# Altium PCB STC12C5A60S2底板.PcbDoc
Units mm, origin at the board's own origin, x right, y up, seen from the top; angles counter-clockwise.
Board outline 100 x 100 mm, 2 copper layers (Top Layer, Bottom Layer); 77 components, 129 nets, 433 pads, 41 vias.
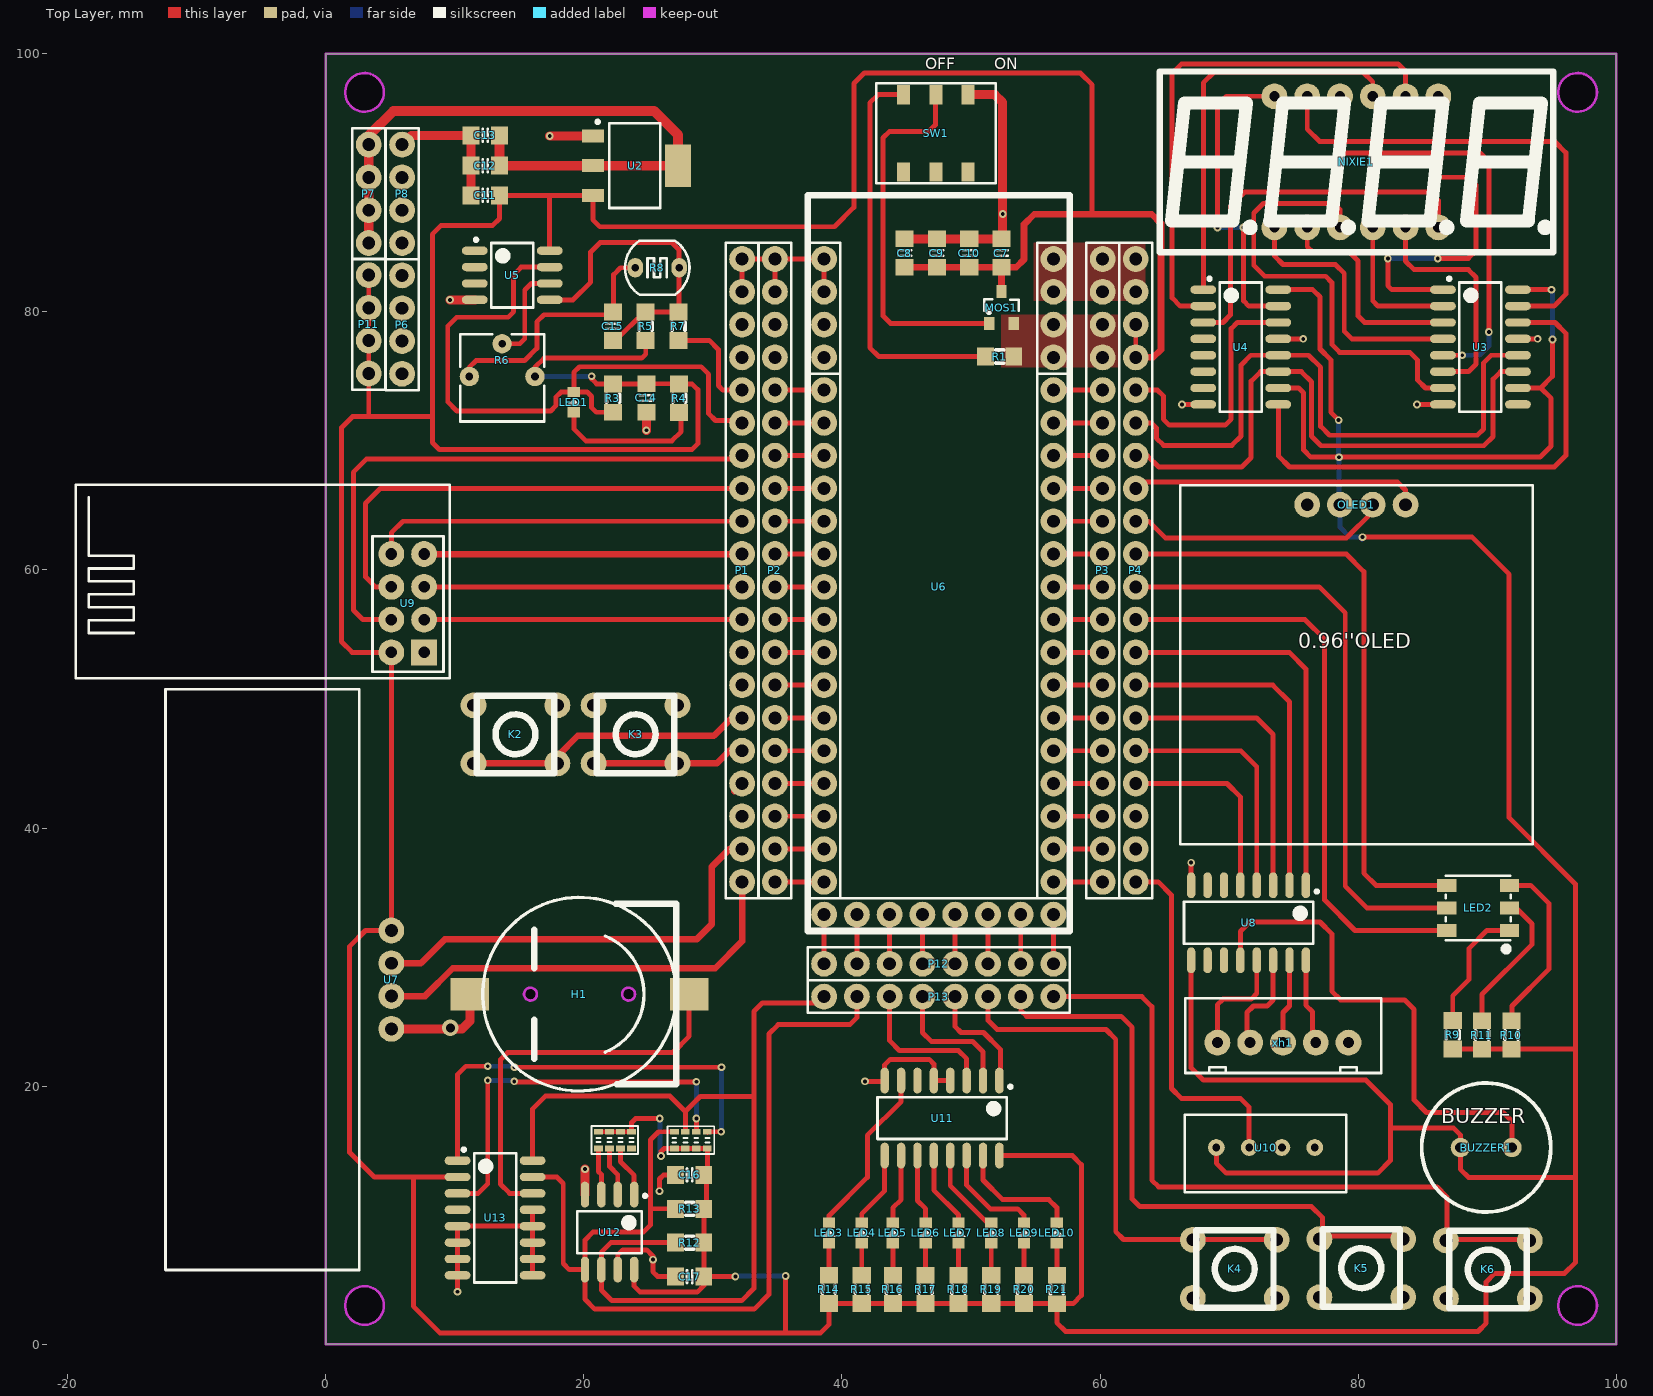
[diagram p0: Top Layer view]
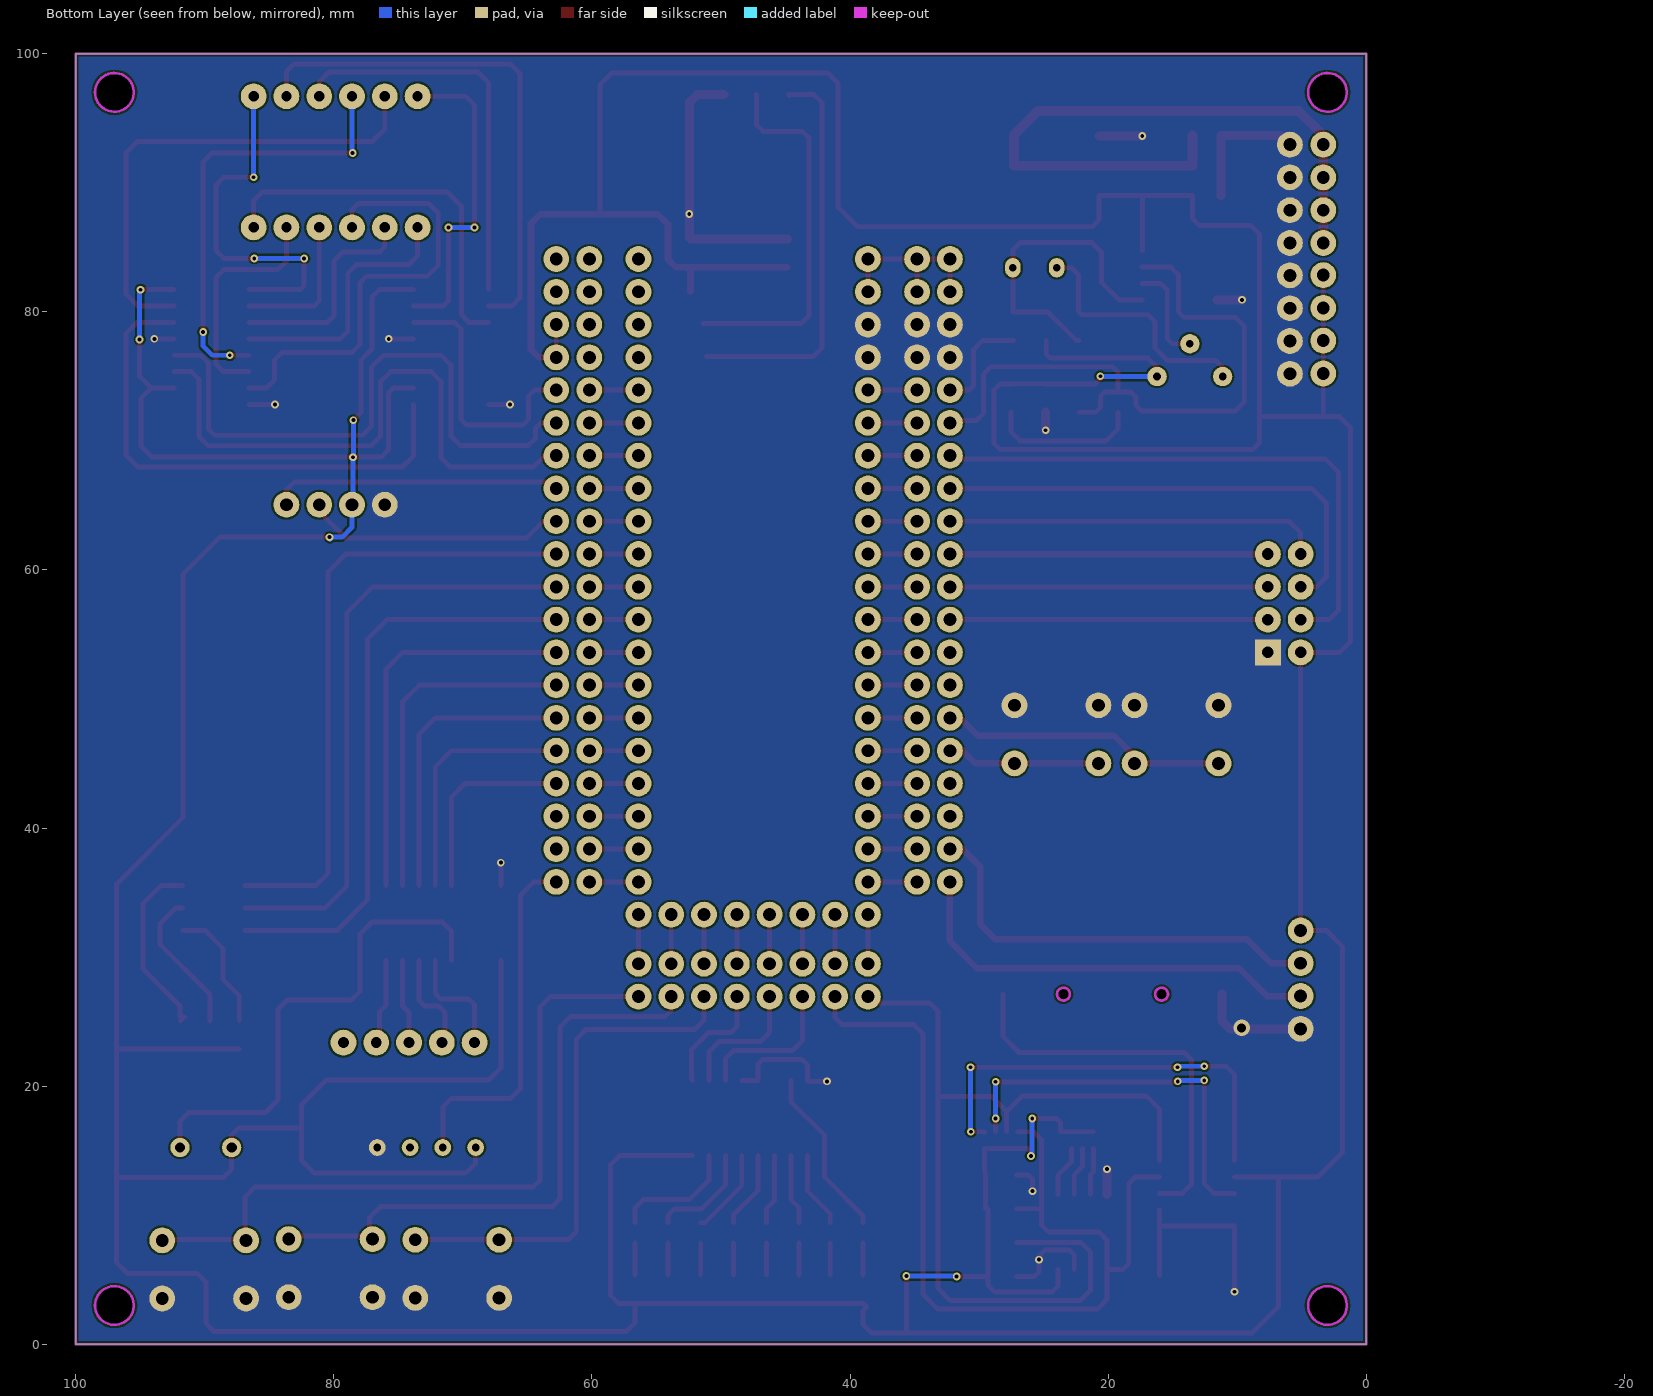
[diagram p1: Bottom Layer view, seen from below]

## Layer stack, top to bottom
Top Solder: solder mask 0.0102, Solder Resist, Dk 3.5
Top Layer: signal copper 0.0356
Dielectric 1: dielectric 0.32, FR-4, Dk 4.8
Bottom Layer: signal copper 0.0356
Bottom Solder: solder mask 0.0102, Solder Resist, Dk 3.5

## Board outline
0,100 0,0 100,0 100,100 0,100
cut-out: 95.5,97 ccw(c97,97) 97,95.5 ccw(c97,97) 98.5,97 ccw(c97,97) 97,98.5 ccw(c97,97)
cut-out: 1.5,97 ccw(c3,97) 3,95.5 ccw(c3,97) 4.5,97 ccw(c3,97) 3,98.5 ccw(c3,97)
cut-out: 1.5,3 ccw(c3,3) 3,1.5 ccw(c3,3) 4.5,3 ccw(c3,3) 3,4.5 ccw(c3,3)
cut-out: 95.5,3 ccw(c97,3) 97,1.5 ccw(c97,3) 98.5,3 ccw(c97,3) 97,4.5 ccw(c97,3)

## Design rules (kind name [scope] priority, off if disabled: settings)
Clearance [All] p1: gap=0.152
ComponentClearance [All] p1: gap=0 collisioncheckmode=3 verticalgap=0 showdistances=FALSE
PlaneConnect [All] p1: planeconnectstyle=Direct reliefexpansion=0.508 reliefentries=4 reliefconductorwidth=0.254 reliefairgap=0.254
PolygonConnect [All] p1: connectstyle=Direct reliefconductorwidth=0.254 reliefentries=4 polygonreliefangle="90 Angle" airgapwidth=0.254
RoutingVias [All] p1: holewidth=0.3 width=0.6 viastyle="Through Hole" minholewidth=0.3 minwidth=0.6 maxholewidth=6 maxwidth=6.3
SolderMaskExpansion [All] p1: expansion=0.102
UnpouredPolygon [All] p1: allowunpoured=FALSE
Width [All] p1: maxlimit=20 minlimit=0.381 preferedwidth=0.381
27 further rules are at their usual default settings.

## Components (designator, comment, footprint, x,y, rotation, side; value= is the part's Value field where it differs from the comment)
BUZZER1 "BUZZER 9.6X5.5_4MM" BUZZER9.6X4_4MM 89.916,15.24 r0 top
C7 "22μF" C_0805 52.358,84.553 r90 top
C8 "22μF" C_0805 44.858,84.553 r90 top
C9 "10μF" C_0805 47.358,84.553 r90 top
C10 "0.1μF" C_0805 49.858,84.553 r90 top
C11 "10μF" C_0805 12.357,89.012 r180 top
C12 "10μF" C_0805 12.357,91.319 r180 top
C13 "0.1μF" C_0805 12.357,93.668 r180 top
C14 "0.1μF" C_0805 24.841,73.322 r90 top
C15 "0.1μF" C_0805 22.25,78.885 r90 top
C16 "0.1μF" C_0805 28.191,13.119 r180 top
C17 "0.1μF" C_0805 28.191,5.245 r180 top
H1 "CR1220" HOLDER_CR1220_SMD 19.66,27.127 r90 top
K2 "TACT SWITCH_4_DIP" "TACT SWITCH_4_DIP" 14.697,47.259 r0 top
K3 "TACT SWITCH_4_DIP" "TACT SWITCH_4_DIP" 24.007,47.259 r0 top
K4 "TACT SWITCH_4_DIP" "TACT SWITCH_4_DIP" 70.434,5.842 r180 top
K5 "TACT SWITCH_4_DIP" "TACT SWITCH_4_DIP" 80.239,5.893 r180 top
K6 "TACT SWITCH_4_DIP" "TACT SWITCH_4_DIP" 90.043,5.791 r180 top
LED1 "LED_0603-R" LED_0603-R 19.202,73 r90 top
LED2 "RGB" "LED 5050_RGB" 89.296,33.81 r180 top
LED3 "LED_0603-G" LED_0603-G 38.991,8.622 r90 top
LED4 "LED_0603-G" LED_0603-G 41.531,8.622 r90 top
LED5 "LED_0603-G" LED_0603-G 43.944,8.622 r90 top
LED6 "LED_0603-G" LED_0603-G 46.484,8.622 r90 top
LED7 "LED_0603-G" LED_0603-G 49.024,8.622 r90 top
LED8 "LED_0603-G" LED_0603-G 51.564,8.622 r90 top
LED9 "LED_0603-G" LED_0603-G 54.104,8.622 r90 top
LED10 "LED_0603-G" LED_0603-G 56.644,8.622 r90 top
MOS1 "SI2301" SOT_23_3 52.358,80.324 r0 top
NIXIE1 "Nixie Tube_CC(0.36in)_4" "NIXIE TUBE_4(0.36IN)" 79.858,91.618 r0 top
OLED1 "0.96''" "OLED 0.96''" 79.858,66.549 r0 top
P1 "PIN20" PIN_20 32.258,59.959 r90 top
P2 "PIN20" PIN_20 34.801,59.959 r90 top
P3 "PIN20" PIN_20 60.201,59.959 r90 top
P4 "PIN20" PIN_20 62.763,59.959 r90 top
P6 "PIN4" PIN_4 5.918,79.005 r270 top
P7 "PIN4" PIN_4 3.327,89.14 r270 top
P8 "PIN4" PIN_4 5.918,89.14 r270 top
P11 "PIN4" PIN_4 3.327,79.03 r270 top
P12 "PIN8" PIN_8 47.501,29.479 r0 top
P13 "PIN8" PIN_8 47.501,26.939 r0 top
R1 "100KΩ" R_0805 52.215,76.53 r0 top
R3 "10KΩ" R_0805 22.248,73.312 r90 top
R4 "1KΩ" R_0805 27.381,73.297 r90 top
R5 "10kΩ" R_0805 24.79,78.885 r90 top
R6 "kΩ" RP_3362P 13.665,76.251 r180 top
R7 "10kΩ" R_0805 27.33,78.885 r270 top
R8 "5516" GM55-55XX 25.681,83.414 r180 top
R9 "Ω" R_0805 87.324,23.975 r270 top
R10 "Ω" R_0805 91.868,23.96 r270 top
R11 "Ω" R_0805 89.582,23.96 r270 top
R12 "10KΩ" R_0805 28.191,7.87 r0 top
R13 "10KΩ" R_0805 28.191,10.494 r0 top
R14 "Ω" R_0805 38.981,4.251 r90 top
R15 "Ω" R_0805 41.531,4.251 r90 top
R16 "Ω" R_0805 43.944,4.251 r90 top
R17 "Ω" R_0805 46.484,4.251 r90 top
R18 "Ω" R_0805 49.024,4.251 r90 top
R19 "Ω" R_0805 51.564,4.251 r90 top
R20 "Ω" R_0805 54.104,4.251 r90 top
R21 "Ω" R_0805 56.644,4.245 r90 top
SW1 "switchi_slide(SMD)" SWITCHI_SLIDE(SMD) 47.269,93.828 r270 top
U2 "1117-3.3" SOT_223 23.943,91.319 r270 top
U3 "74HC595" SOP_16 89.47,77.267 r0 top
U4 "74HC595" SOP_16 70.902,77.267 r0 top
U5 "LM393_DIP" SOP_8 14.453,82.829 r0 top
U6 "socket" STC12_moudle 47.501,32.019 r0 top locked
U7 "SR04" SR04 5.08,28.25 r270 top
U8 "ULN2003_SMD" SOP_16 71.501,32.654 r270 top
U9 "2.4G" NRF24L01 7.62,53.609 r0 top
U10 "DHT11" DHT11 72.818,15.24 r0 top
U11 "74HC138" SOP_16 47.752,17.526 r270 top
U12 "AT24C32" SOP_8 21.989,8.687 r270 top
U13 "DS3231" SOP_16 13.121,9.783 r0 top
xh1 "XH2.54_5" XH2.54_5 74.168,23.368 r0 top
? "R21" 排阻(0603) 31.245,13.586 r90 top
? "R30" 排阻(0603) 19.457,18.041 r270 top

## Footprints (in the part's own frame and the unit in brackets; to place one, negate y for a bottom-side part, rotate by r counter-clockwise, add the part's x,y. Pads: shape width x height; smd on the part's side, far side on the other; paste and mask are expansions set on the pad)
BUZZER9.6X4_4MM [mm]
  round 1.5 hole 0.8: 1(-2,0) 2(2,0)
  silkscreen extent -5,-5 5,5
C_0805 [mm]
  rect 1.3x1.4 smd: 1(-1.1,0) 2(1.1,0)
  silkscreen extent -0.2,-0.5 0.2,0.5, body extent -1,-0.63 1,0.62, height 0.78
DHT11 [mm]
  round 1.3 hole 0.6: 1(-3.81,0) 2(-1.27,0) 3(1.27,0) 4(3.81,0)
  silkscreen extent -6.25,-3.45 6.25,2.55, body extent -6,-2.8 6,2.7, height 16.25
GM55-55XX [mm]
  oval 1.2x1.5 hole 0.6: 1(-1.7,0) 2(1.7,0)
  silkscreen extent -2.5,-2.1 2.5,2.1
HOLDER_CR1220_SMD [mm]
  rect 2.5x3 smd: 1(0,-8.5) 2(0,8.5)
  Keep-Out Layer board cut-out: 0,3.3 -0.191,3.338 -0.354,3.446 -0.462,3.609 -0.5,3.8 -0.5,3.8 -0.462,3.991 -0.354,4.154 -0.191,4.262 0,4.3 0,4.3 0.191,4.262 0.354,4.154 0.462,3.991 0.5,3.8 0.5,3.8 0.462,3.609 0.354,3.446 0.191,3.338 0,3.3
  Keep-Out Layer board cut-out: -0.5,-3.8 -0.462,-3.991 -0.354,-4.154 -0.191,-4.262 0,-4.3 0,-4.3 0.191,-4.262 0.354,-4.154 0.462,-3.991 0.5,-3.8 0.5,-3.8 0.462,-3.609 0.354,-3.446 0.191,-3.338 0,-3.3 0,-3.3 -0.191,-3.338 -0.354,-3.446 -0.462,-3.609 -0.5,-3.8
  Keep-Out Layer circle w0.2: c0,3.8 r0.5
  Keep-Out Layer circle w0.2: c0,-3.8 r0.5
  silkscreen extent -7.5,-7.5 7.5,7.5, body extent -7.35,-9.6 7.4,9.2, height 4.23
"LED 5050_RGB" [mm]
  rect 1.5x1 smd: 1(2.428,1.75) 2(-2.428,1.75) 3(2.428,0) 4(-2.428,0) 5(2.428,-1.75) 6(-2.428,-1.75)
  silkscreen extent -2.51,-2.5 2.51,3.36, body extent -2.7,-2.5 2.7,2.5, height 1.5
LED_0603-G [mm]
  rect 0.8x0.96 smd: 1(-0.79,0) 2(0.79,0)
  silkscreen extent -0.28,-0.56 0.28,0.56, body extent -0.85,-0.45 0.85,0.45, height 0.9
LED_0603-R [mm]
  rect 0.8x0.96 smd: 1(-0.79,0) 2(0.79,0)
  silkscreen extent -0.28,-0.56 0.28,0.56, body extent -0.85,-0.45 0.85,0.45, height 0.9
"NIXIE TUBE_4(0.36IN)" [mm]
  round 2 hole 0.8: 1(-6.35,-5.08) 2(-3.81,-5.08) 3(-1.27,-5.08) 4(1.27,-5.08) 5(3.81,-5.08) 6(6.35,-5.08) 7(6.35,5.08) 8(3.81,5.08) 9(1.27,5.08) 10(-1.27,5.08) 11(-3.81,5.08) 12(-6.35,5.08)
  silkscreen extent -15.24,-7 15.24,7, body extent -15.24,-7 15.24,7, height 7.21
NRF24L01 [mm]
  rect 2x2 hole 0.9: 1(0,0)
  round 2 hole 0.9: 2(-2.54,0) 3(0,2.54) 4(-2.54,2.54) 5(0,5.08) 6(-2.54,5.08) 7(0,7.62) 8(-2.54,7.62)
  silkscreen extent -27,-2 2,13, body extent -27.25,-2 1.75,13, height 15
"OLED 0.96''" [mm]
  round 2 hole 1: 1(-3.81,-1.5) 2(-1.27,-1.5) 3(1.27,-1.5) 4(3.81,-1.5)
  silkscreen extent -13.65,-27.8 13.65,0
PIN_4 [mm]
  round 2 hole 1: 1(-3.81,0) 2(-1.27,0) 3(1.27,0) 4(3.81,0)
  silkscreen extent -5.08,-1.27 5.08,1.27, body extent -5.08,-1.27 5.08,1.27, height 8.51
PIN_8 [mm]
  round 2 hole 1: 1(-8.89,0) 2(-6.35,0) 3(-3.81,0) 4(-1.27,0) 5(1.27,0) 6(3.81,0) 7(6.35,0) 8(8.89,0)
  silkscreen extent -10.16,-1.27 10.16,1.27, body extent -10.16,-1.27 10.16,1.27, height 8.51
PIN_20 [mm]
  round 2 hole 1: 1(-24.13,0) 2(-21.59,0) 3(-19.05,0) 4(-16.51,0) 5(-13.97,0) 6(-11.43,0) 7(-8.89,0) 8(-6.35,0) 9(-3.81,0) 10(-1.27,0) 11(1.27,0) 12(3.81,0) 13(6.35,0) 14(8.89,0) 15(11.43,0) 16(13.97,0) 17(16.51,0) 18(19.05,0) 19(21.59,0) 20(24.13,0)
  silkscreen extent -25.4,-1.27 25.4,1.27, body extent -25.4,-1.27 25.4,1.27, height 8.51
R_0805 [mm]
  rect 1.3x1.4 smd: 1(-1.1,0) 2(1.1,0)
  silkscreen extent -0.3,-0.5 0.3,0.5, body extent -1.15,-0.67 1.15,0.68, height 0.76
RP_3362P [mm]
  round 1.5 hole 0.6: 1(-2.54,1.27) 2(0,-1.27) 3(2.54,1.27)
  silkscreen extent -3.25,-2 3.25,4.75, body extent -3.35,-2.2 3.35,4.84, height 4.34
SOP_8 [mm]
  oval 2x0.65 smd: 1(-2.906,1.905) 2(-2.906,0.635) 3(-2.906,-0.635) 4(-2.906,-1.905) 5(2.906,-1.905) 6(2.906,-0.635) 7(2.906,0.635) 8(2.906,1.905)
  silkscreen extent -2.93,-2.5 1.63,2.88, body extent -3,-2.5 3,2.5, height 1.8
SOP_16 [mm]
  oval 2x0.65 smd: 1(-2.906,4.445) 2(-2.906,3.175) 3(-2.906,1.905) 4(-2.906,0.635) 5(-2.906,-0.635) 6(-2.906,-1.905) 7(-2.906,-3.175) 8(-2.906,-4.445) 9(2.906,-4.445) 10(2.906,-3.175) 11(2.906,-1.905) 12(2.906,-0.635) 13(2.906,0.635) 14(2.906,1.905) 15(2.906,3.175) 16(2.906,4.445)
  silkscreen extent -2.55,-5 1.63,5.42, body extent -3.06,-5 3.06,5, height 1.48
SOT_23_3 [mm]
  rect 0.8x1 smd: 1(-0.95,-1.235) 2(0.95,-1.235) 3(0,1.235)
  silkscreen extent -1.35,-0.45 1.35,0.65, body extent -1.45,-1.19 1.45,1.19, height 1.02
SOT_223 [mm]
  rect 1x1.7 smd: 1(-2.3,-3.25) 2(0,-3.25) 3(2.3,-3.25)
  rect 3.3x2 smd: 2(0,3.349)
  silkscreen extent -3.53,-3 3.28,1.98, body extent -3.25,-3.51 3.25,3.51, height 1.93
SR04 [mm]
  round 2 hole 1: 1(-3.81,0) 2(-1.27,0) 3(1.27,0) 4(3.81,0)
  silkscreen extent -22.5,-17.5 22.5,-2.5, body extent -22.75,-17.82 22.25,0.25, height 22.5
STC12_moudle [mm]
  round 2 hole 1: 1(-8.89,49.53) 1(-8.89,52.07) 2(-8.89,44.45) 2(-8.89,46.99) 3(-8.89,41.91) 4(-8.89,39.37) 5(-8.89,36.83) 6(-8.89,34.29) 7(-8.89,31.75) 8(-8.89,29.21) 9(-8.89,26.67) 10(-8.89,24.13) 11(-8.89,21.59) 12(-8.89,19.05) 13(-8.89,16.51) 14(-8.89,13.97) 15(-8.89,11.43) 16(-8.89,8.89) 17(-8.89,6.35) 18(-8.89,3.81) 19(-8.89,1.27) 20(-6.35,1.27) 21(-3.81,1.27) 22(-1.27,1.27) 23(1.27,1.27) 24(3.81,1.27) 25(6.35,1.27) 26(8.89,1.27) 27(8.89,3.81) 28(8.89,6.35) 29(8.89,8.89) 30(8.89,11.43) 31(8.89,13.97) 32(8.89,16.51) 33(8.89,19.05) 34(8.89,21.59) 35(8.89,24.13) 36(8.89,26.67) 37(8.89,29.21) 38(8.89,31.75) 39(8.89,34.29) 40(8.89,36.83) 41(8.89,39.37) 42(8.89,41.91) 43(8.89,44.45) 43(8.89,46.99) 44(8.89,49.53) 44(8.89,52.07)
  silkscreen extent -10.16,0 10.16,57, body extent -10.29,0.02 10.28,53.46, height 8.5
SWITCHI_SLIDE(SMD) [mm]
  rect 1.5x1 smd: 1(-3,2.5) 2(-3,0) 3(-3,-2.5) 4(3,-2.5) 5(3,0) 6(3,2.5)
  silkscreen extent -3.88,-4.6 3.88,4.65, body extent -3.45,-4.55 3.45,4.5, height 5.45
"TACT SWITCH_4_DIP" [mm]
  round 2 hole 1: 1(-3.25,2.25) 1(3.25,2.25) 2(-3.25,-2.25) 2(3.25,-2.25)
  silkscreen extent -3,-3 3,3, body extent -3.55,-3 3.55,3, height 5.51
XH2.54_5 [mm]
  round 2 hole 0.85: 1(-5.08,0) 2(-2.54,0) 3(0,0) 4(2.54,0) 5(5.08,0)
  silkscreen extent -7.56,-2.35 7.62,3.45
排阻(0603) [mm]
  rect 0.45x0.67 smd mask+0.05: 1(2.878,4.23) 2(2.878,3.38) 3(2.878,2.53) 4(2.878,1.68) 5(1.578,1.68) 6(1.578,2.53) 7(1.578,3.38) 8(1.578,4.23)
  silkscreen extent 1.14,1.14 3.3,4.75

## Part data
C7 C8 C9 C10 C11 C12 C13 C14 C15 C16 C17: library part C_0805
H1: library part holder_CR1220_SMD
LED2: library part LED_5050_RGB
OLED1: library part "OLED 0.96''_module"
R1 R3 R4 R5 R7 R9 R10 R11 R12 R13 R14 R15 R16 R17 R18 R19 R20 R21: library part R_0805
R6: library part RP_3362P
R8: library part GM55-55XX
U2: library part AMS1117-3.3
U6: library part STC12C_module
U9: library part NRF24L01
U13: library part DS3231_SOP16
? ?: library part 排阻(0603)

## Via types
v1: diameter 0.6, hole 0.3, Top Layer to Bottom Layer, 40 vias
v2: diameter 1.27, hole 0.711, Top Layer to Bottom Layer, 1 vias

## Nets (pads, with @x,y where several pads share a name; then routed paths per layer and width w, separated by ;. In a path a pad name is that pad's centre, name@x,y a point inside that pad or via, vN(x,y) a via of type N, cw(c..) or ccw(c..) an arc to the next point about the centre after c; other vN are vias at no path point)
3V3: C12.1 C13.1 P7.1 P7.2 P7.3 P7.4 U2.2 | length 52.4
  Top Layer w0.762: P7.4 P7.3 P7.2 P7.1 3.327,93.65 5.232,95.555 25.451,95.555 27.292,93.714 27.292,91.319 20.693,91.319 C12.1 C13.1
5V: MOS1.2 P3.17 P3.18 R1.2 U6.43
24L01_CE: P1.13 U9.6 | length 37.7
  Top Layer w0.381: U9.6 3.846,58.689 3.073,59.461 3.073,65.151 4.231,66.309 P1.13
24L01_CSN: P1.14 U9.4 | length 44.6
  Top Layer w0.381: U9.4 2.881,56.149 2.134,56.896 2.134,67.564 3.15,68.58 31.989,68.58 P1.14
24L01_IRQ: P1.12 U9.8 | length 29.2
  Top Layer w0.381: U9.8 5.08,62.865 5.984,63.769 P1.12
24L01_MISO: P1.11 U9.7 | length 24.6
  Top Layer w0.508: U9.7 P1.11
24L01_MOSI: P1.10 U9.5 | length 24.6
  Top Layer w0.381: U9.5 P1.10
24L01_SCK: P1.9 U9.3 | length 24.6
  Top Layer w0.381: U9.3 P1.9
32K: ?.4@29.566,16.464 U13.1 | length 33.6
  Top Layer w0.381: U13.1 10.215,20.908 10.846,21.539 v1(12.548,21.539) ; v1(14.63,21.463) v1(30.658,21.463) ; ?.4@29.566,16.408 29.566,16.464 v1(30.637,16.464)
  Bottom Layer w0.381: v1(12.548,21.539) 14.554,21.539 v1(14.63,21.463) ; v1(30.637,16.464) 30.658,16.485 v1(30.658,21.463)
74HC595_RCLK: P4.14 U3.11 U4.11 | length 46.3
  Top Layer w0.381: P4.14 63.663,68.849 64.541,67.97 70.968,67.97 71.704,68.707 71.704,74.625 72.441,75.362 U4.11 75.59,75.362 76.378,74.574 76.378,70.358 77.114,69.621 89.738,69.621 90.449,70.333 90.449,74.778 91.034,75.362 U3.11
74HC595_SER: P4.16 U4.14 | length 20.6
  Top Layer w0.381: P4.16 64.45,73.929 64.897,73.482 64.897,71.679 65.354,71.222 69.698,71.222 70.155,71.679 70.155,78.689 70.637,79.172 U4.14
74HC595_SRCLK: P4.15 U3.12 U4.12 | length 47.7
  Top Layer w0.381: P4.15 63.968,71.389 64.364,70.993 64.364,70.206 64.922,69.647 70.206,69.647 70.917,70.358 70.917,75.87 71.679,76.632 U4.12 76.149,76.632 77.089,75.692 77.089,71.12 77.775,70.434 89.23,70.434 89.713,70.917 89.713,76.048 90.297,76.632 U3.12
AO: P1.16 R7.2 | length 8.2
  Top Layer w0.381: R7.2 29.708,77.785 30.429,77.064 30.429,74.27 30.77,73.929 P1.16
DHT11_DATA: P4.1 U10.2 | length 27.9
  Top Layer w0.381: P4.1 64.501,35.829 65.532,34.798 65.532,19.812 66.294,19.05 70.866,19.05 71.548,18.368 U10.2
DO: LED1.2 P1.15 R3.1 U5.7 | length 50.9
  Top Layer w0.381: U5.7 15.138,83.464 14.554,82.88 14.554,80.004 14.129,79.578 10.135,79.578 9.449,78.892 9.449,73.025 10.16,72.314 17.424,72.314 17.831,72.72 17.831,73.381 18.232,73.782 LED1.2@19.225,73.782 ; R3.1 20.955,72.212 20.599,72.568 20.599,73.431 20.249,73.782 19.245,73.782 LED1.2@19.225,73.782 ; P1.15 32.07,71.577 30.201,71.577 29.667,72.111 29.667,75.159 29.083,75.743 19.66,75.743 19.225,75.309 LED1.2@19.225,73.782
DS3231_SCL: ?.2@27.866,16.464 P13.1 R12.1 U12.6 U13.16 | length 72.9
  Top Layer w0.381: U13.16 16.028,18.238 17.018,19.228 26.67,19.228 27.8,18.098 ; R12.1 22.094,7.87 21.354,7.13 U12.6 21.354,4.199 22.174,3.378 32.233,3.378 33.172,4.318 33.172,19.202 ; ?.2@27.866,16.464 27.866,18.032 29.036,19.202 33.172,19.202 ; P13.1 38.113,26.441 33.833,26.441 33.172,25.781 33.172,19.202
DS3231_SDA: ?.1@27.016,16.464 P13.2 R13.1 U12.5 U13.15 | length 75.5
  Top Layer w0.381: U13.15 17.901,12.958 18.402,12.457 18.402,6.256 18.877,5.781 U12.5 ; 25.324,10.494 R13.1 ; ?.1@27.016,16.464 25.786,16.464 25.146,15.824 25.146,9.22 24.613,8.687 20.701,8.687 20.084,8.069 U12.5 ; P13.2 41.151,25.301 40.615,24.765 35.052,24.765 34.341,24.054 34.341,3.861 33.198,2.718 20.853,2.718 20.084,3.488 U12.5
GND: C7.2 C8.2 C9.2 C10.2 C11.2 C12.2 C13.2 C14.1 C16.2 C17.2 H1.2 K2.1 K3.1 K4.1 K5.1 K6.1 OLED1.1 P1.17 P1.18 P2.17 P2.18 P6.1 P6.2 P6.3 P6.4 P8.1 P8.2 P8.3 P8.4 SW1.1 U2.1 U3.8 U3.13 U4.8 U4.13 U5.4 U6.2 U7.4 U8.8 U9.1 U10.4 U11.4 U11.5 U11.8 U12.4 U12.7 U13.5 U13.6 U13.7 U13.8 U13.9 U13.10 U13.11 U13.12 U13.13 | length 92.1
  Top Layer w0.381: v1(10.215,4.065) U13.8 U13.7 U13.6 U13.5 U13.12 ; U13.9 U13.10 U13.11 U13.12 ; U13.13 U13.12 ; U12.7 22.624,6.926 23.012,7.315 24.867,7.315 25.349,6.833 v1(25.349,6.553) 25.349,5.613 25.718,5.245 C17.2 ; v1@25.857,12.141 25.857,12.802 26.174,13.119 C16.2 ; v1(41.783,20.371) 43.245,20.371 U11.8 43.307,21.641 43.739,22.073 46.761,22.073 47.117,21.717 U11.5 U11.4 ; v1(66.345,72.822) U4.8 ; U8.8 v1(67.056,37.313) ; U4.13 v1(75.743,77.902) ; v1(84.557,72.822) U3.8 ; U3.13 v1(93.904,77.902)
  Top Layer w0.7: U7.4 10.572,24.44 11.16,25.028 H1.2 ; P8.1 6.637,93.668 C13.2 C12.2 C11.2 ; v1(9.627,80.924) U5.4 ; v1(17.354,93.619) U2.1 ; U12.4 v1(20.084,13.564) ; v1(24.841,70.815) C14.1 ; C8.2 C9.2 C10.2 C7.2 52.451,85.746 v1(52.451,87.579) 52.451,96.215 51.839,96.828 SW1.1
  other v1: 25.857,11.862
  other v2: 9.652,24.511
INT0: K2.2 P1.6 | length 22.6
  Top Layer w0.508: K2.2@11.447,45.009 17.947,45.009 17.947,45.557 19.533,47.142 30.074,47.142 31.46,48.529 P1.6
INT1: K3.2 P1.5 | length 11.9
  Top Layer w0.508: K3.2@20.757,45.009 27.257,45.009 30.302,45.009 31.282,45.989 P1.5
LED_B: LED2.1 P4.9 | length 45.9
  Top Layer w0.381: P4.9 75.88,56.149 77.394,54.635 77.394,34.417 79.751,32.06 LED2.1
LED_G: LED2.5 P4.11 | length 48.4
  Top Layer w0.381: P4.11 79.081,61.229 80.442,59.868 80.442,36.5 81.382,35.56 LED2.5
LED_R: LED2.3 P4.10 | length 46.8
  Top Layer w0.381: P4.10 76.973,58.689 78.994,56.667 78.994,35.484 80.668,33.81 LED2.3
Net_2: ?.2@22.836,15.164 U12.1 | length 4
  Top Layer w0.381: ?.2@22.836,15.164 22.836,14.146 23.894,13.089 U12.1
Net_3: ?.3@21.986,15.164 U12.2 | length 3.8
  Top Layer w0.381: ?.3@21.986,15.164 21.986,13.777 22.624,13.14 U12.2
Net_4: ?.4@21.136,15.164 U12.3 | length 3.7
  Top Layer w0.381: ?.4@21.136,15.164 21.136,13.374 21.354,13.157 U12.3
NetBUZZER1_2: BUZZER1.2 U8.12 | length 38.7
  Top Layer w0.381: U8.12 70.866,31.979 71.603,32.715 77.038,32.715 77.953,31.801 77.953,27.356 78.638,26.67 83.591,26.67 84.328,25.933 84.328,18.923 85.293,17.958 91.237,17.958 91.916,17.279 BUZZER1.2
NetC15_1: C15.1 R5.2 R7.1 R8.1 U5.5 | length 24.3
  Top Layer w0.381: U5.5 19.152,80.924 20.523,82.296 20.523,84.633 21.26,85.369 26.797,85.369 27.381,84.785 R8.1 27.381,80.035 R7.1 R5.2 24.679,79.985 22.479,77.785 C15.1
NetC15_2: C15.2 R6.3 R8.2 | length 19.6
  Top Layer w0.381: R6.3 11.125,75.703 11.648,76.225 15.418,76.225 16.358,77.165 16.358,79.223 16.906,79.771 22.037,79.771 C15.2 22.301,80.035 22.301,82.88 22.835,83.414 R8.2
NetH1_1: H1.1 U13.14 | length 31.1
  Top Layer w0.381: U13.14 14.246,11.688 13.538,12.395 13.538,22.047 14.097,22.606 26.904,22.606 28.16,23.862 H1.1
NetK4_2: K4.2 P13.6 | length 39.7
  Top Layer w0.381: P13.6 51.311,25.094 52.021,24.384 60.452,24.384 61.214,23.622 61.214,8.716 61.813,8.117 K4.2@73.406,8.117
NetK5_2: K5.2 P13.7 | length 46.9
  Top Layer w0.381: P13.7 53.851,25.856 54.307,25.4 61.636,25.4 62.484,24.552 62.484,11.256 63.072,10.668 76.374,10.668 77.216,9.826 77.216,8.382 83.403,8.382 K5.2@83.668,8.117
NetK6_2: K6.2 P13.8 | length 54.7
  Top Layer w0.381: P13.8 63.231,26.939 64.008,26.162 64.008,12.715 64.531,12.192 86.106,12.192 86.868,11.43 86.868,8.128 K6.2@93.461,8.128
NetLED1_1: LED1.1 R4.1 | length 11.8
  Top Layer w0.381: LED1.1@19.245,72.202 19.245,70.899 20.142,70.002 26.822,70.002 27.535,70.715 R4.1@27.535,72.222
NetLED2_2: LED2.2 R9.1 | length 9.8
  Top Layer w0.381: R9.1 87.324,26.999 88.595,28.27 88.595,30.683 89.972,32.06 LED2.2
NetLED2_4: LED2.4 R11.1 | length 11.4
  Top Layer w0.381: R11.1 89.582,27.098 93.472,30.988 93.472,32.563 92.225,33.81 LED2.4
NetLED2_6: LED2.6 R10.1 | length 14.4
  Top Layer w0.381: LED2.6 93.37,35.56 94.767,34.163 94.767,29.061 91.916,26.21 91.916,25.346 91.581,25.346 R10.1
NetLED3_1: LED3.1 R14.2 | length 2.5
  Top Layer w0.381: R14.2 38.991,5.361 LED3.1
NetLED3_2: LED3.2 U11.7 | length 13.3
  Top Layer w0.381: LED3.2 38.991,9.958 41.961,12.929 41.961,16.18 44.577,18.796 U11.7
NetLED4_1: LED4.1 R15.2 | length 2.5
  Top Layer w0.381: R15.2 LED4.1
NetLED4_2: LED4.2 U11.9 | length 5.9
  Top Layer w0.381: LED4.2 41.531,10.111 43.307,11.887 U11.9
NetLED5_1: LED5.1 R16.2 | length 2.5
  Top Layer w0.381: R16.2 LED5.1
NetLED5_2: LED5.2 U11.10 | length 5.5
  Top Layer w0.381: LED5.2 43.944,10.568 44.577,11.201 U11.10
NetLED6_1: LED6.1 R17.2 | length 2.5
  Top Layer w0.381: R17.2 LED6.1
NetLED6_2: LED6.2 U11.11 | length 5.5
  Top Layer w0.381: U11.11 45.847,11.127 46.484,10.49 LED6.2
NetLED7_1: LED7.1 R18.2 | length 2.5
  Top Layer w0.381: R18.2 LED7.1
NetLED7_2: LED7.2 U11.12 | length 6
  Top Layer w0.381: U11.12 47.117,11.938 49.024,10.031 LED7.2
NetLED8_1: LED8.1 R19.2 | length 2.5
  Top Layer w0.381: R19.2 LED8.1
NetLED8_2: LED8.2 U11.13 | length 6.7
  Top Layer w0.381: U11.13 48.387,12.294 51.268,9.412 LED8.2
NetLED9_1: LED9.1 R20.2 | length 2.5
  Top Layer w0.381: R20.2 LED9.1
NetLED9_2: LED9.2 U11.14 | length 8.3
  Top Layer w0.381: U11.14 49.657,12.319 51.486,10.49 53.619,10.49 54.104,10.006 LED9.2
NetLED10_1: LED10.1 R21.2 | length 2.5
  Top Layer w0.381: R21.2 LED10.1
NetLED10_2: LED10.2 U11.15 | length 9.7
  Top Layer w0.381: U11.15 50.927,12.725 52.451,11.201 56.032,11.201 56.644,10.59 LED10.2
NetMOS1_1: MOS1.1 SW1.2 | length 29.1
  Top Layer w0.381: SW1.2 47.244,96.802 47.244,94.488 46.736,93.98 43.688,93.98 43.18,93.472 43.18,79.68 43.77,79.089 MOS1.1
NetNIXIE1_1: NIXIE1.1 U3.4 | length 20.6
  Top Layer w0.381: NIXIE1.1 73.508,84.328 74.168,83.668 78.232,83.668 78.918,82.982 78.918,78.486 79.502,77.902 U3.4
NetNIXIE1_2: NIXIE1.2 U3.3 | length 16.9
  Top Layer w0.381: NIXIE1.2 76.048,85.039 76.454,84.633 79.299,84.633 79.985,83.947 79.985,79.68 80.493,79.172 U3.3
NetNIXIE1_3: NIXIE1.3 U3.7 | length 34.9
  Top Layer w0.381: NIXIE1.3 78.588,87.909 78.105,88.392 72.644,88.392 71.907,87.655 71.907,83.591 72.746,82.753 77.47,82.753 77.953,82.271 77.953,77.47 78.562,76.86 83.998,76.86 84.607,76.251 84.607,74.701 85.217,74.092 U3.7
NetNIXIE1_4: NIXIE1.4 U3.2 | length 11.3
  Top Layer w0.381: NIXIE1.4 81.128,80.848 81.534,80.442 U3.2
NetNIXIE1_5: NIXIE1.5 U3.6 | length 18.1
  Top Layer w0.381: NIXIE1.5 83.668,83.922 84.328,83.261 88.53,83.261 89.129,82.662 89.129,75.946 88.544,75.362 U3.6
NetNIXIE1_6: NIXIE1.6 U4.3 | length 29.7
  Top Layer w0.381: U4.3 69.52,79.172 70.104,79.756 70.104,88.189 71.196,89.281 85.547,89.281 86.208,88.621 NIXIE1.6
NetNIXIE1_7: NIXIE1.7 U3.1 | length 28.2
  Top Layer w0.381: v1(82.296,84.135) 82.296,82.027 82.612,81.712 U3.1 ; v1(86.161,84.135) 88.53,84.135 89.129,84.734 89.129,89.814 88.519,90.424 v1(86.208,90.424)
  Bottom Layer w0.381: v1(82.296,84.135) v1(86.161,84.135) v1@86.208,84.089 ; v1(86.208,90.424) NIXIE1.7
NetNIXIE1_8: NIXIE1.8 U4.2 | length 40.6
  Top Layer w0.381: U4.2 66.218,80.442 65.583,81.077 65.583,98.476 66.319,99.212 83.083,99.212 83.668,98.628 NIXIE1.8
NetNIXIE1_9: NIXIE1.9 U4.1 | length 30.9
  Top Layer w0.381: U4.1 67.996,97.739 68.834,98.577 80.366,98.577 81.128,97.815 NIXIE1.9
NetNIXIE1_10: NIXIE1.10 U3.5 | length 34.4
  Top Layer w0.381: v1(78.537,92.304) 89.433,92.304 90.119,91.618 v1(90.119,78.435) ; U3.5 v1(88.062,76.632)
  Bottom Layer w0.381: v1(78.537,92.304) 78.588,92.354 NIXIE1.10 ; v1(88.062,76.632) 89.408,76.632 90.119,77.343 v1(90.119,78.435)
NetNIXIE1_11: NIXIE1.11 U3.15 | length 38.4
  Top Layer w0.381: NIXIE1.11 76.048,94.151 77.006,93.193 95.225,93.193 96.088,92.329 96.088,81.356 95.174,80.442 U3.15
NetNIXIE1_12: NIXIE1.12 U4.15 | length 24.8
  Top Layer w0.381: v1(69.088,86.538) 69.088,96.012 69.774,96.698 NIXIE1.12 ; v1(71.12,86.538) 71.12,80.848 71.526,80.442 U4.15
  Bottom Layer w0.381: v1(69.088,86.538) v1(71.12,86.538)
NetP2_1: P2.1 U6.18 | length 3.8
  Top Layer w0.381: P2.1 U6.18
NetP2_2: P2.2 U6.17 | length 3.8
  Top Layer w0.381: P2.2 U6.17
NetP2_3: P2.3 U6.16 | length 3.8
  Top Layer w0.381: P2.3 U6.16
NetP2_4: P2.4 U6.15 | length 3.8
  Top Layer w0.381: P2.4 U6.15
NetP2_5: P2.5 U6.14 | length 3.8
  Top Layer w0.381: P2.5 U6.14
NetP2_6: P2.6 U6.13 | length 3.8
  Top Layer w0.381: P2.6 U6.13
NetP2_7: P2.7 U6.12 | length 3.8
  Top Layer w0.381: P2.7 U6.12
NetP2_8: P2.8 U6.11 | length 3.8
  Top Layer w0.381: P2.8 U6.11
NetP2_9: P2.9 U6.10 | length 3.8
  Top Layer w0.381: P2.9 U6.10
NetP2_10: P2.10 U6.9 | length 3.8
  Top Layer w0.381: P2.10 U6.9
NetP2_11: P2.11 U6.8 | length 3.8
  Top Layer w0.381: P2.11 U6.8
NetP2_12: P2.12 U6.7 | length 3.8
  Top Layer w0.381: P2.12 U6.7
NetP2_13: P2.13 U6.6 | length 3.8
  Top Layer w0.381: P2.13 U6.6
NetP2_14: P2.14 U6.5 | length 3.8
  Top Layer w0.381: P2.14 U6.5
NetP2_15: P2.15 U6.4 | length 3.8
  Top Layer w0.381: P2.15 U6.4
NetP2_16: P2.16 U6.3 | length 3.8
  Top Layer w0.381: P2.16 U6.3
NetP3_1: P3.1 U6.27 | length 3.8
  Top Layer w0.381: U6.27 P3.1
NetP3_2: P3.2 U6.28 | length 3.8
  Top Layer w0.381: U6.28 P3.2
NetP3_3: P3.3 U6.29 | length 3.8
  Top Layer w0.381: U6.29 P3.3
NetP3_4: P3.4 U6.30 | length 3.8
  Top Layer w0.381: U6.30 P3.4
NetP3_5: P3.5 U6.31 | length 3.8
  Top Layer w0.381: U6.31 P3.5
NetP3_6: P3.6 U6.32 | length 3.8
  Top Layer w0.381: U6.32 P3.6
NetP3_7: P3.7 U6.33 | length 3.8
  Top Layer w0.381: U6.33 P3.7
NetP3_8: P3.8 U6.34 | length 3.8
  Top Layer w0.381: U6.34 P3.8
NetP3_9: P3.9 U6.35 | length 3.8
  Top Layer w0.381: U6.35 P3.9
NetP3_10: P3.10 U6.36 | length 3.8
  Top Layer w0.381: U6.36 P3.10
NetP3_11: P3.11 U6.37 | length 3.8
  Top Layer w0.381: U6.37 P3.11
NetP3_12: P3.12 U6.38 | length 3.8
  Top Layer w0.381: U6.38 P3.12
NetP3_13: P3.13 U6.39 | length 3.8
  Top Layer w0.381: U6.39 P3.13
NetP3_14: P3.14 U6.40 | length 3.8
  Top Layer w0.381: U6.40 P3.14
NetP3_15: P3.15 U6.41 | length 3.8
  Top Layer w0.381: U6.41 P3.15
NetP3_16: P3.16 U6.42 | length 3.8
  Top Layer w0.381: U6.42 P3.16
NetP12_1: P12.1 U6.19 | length 3.8
  Top Layer w0.381: P12.1 U6.19
NetP12_2: P12.2 U6.20 | length 3.8
  Top Layer w0.381: P12.2 U6.20
NetP12_3: P12.3 U6.21 | length 3.8
  Top Layer w0.381: P12.3 U6.21
NetP12_4: P12.4 U6.22 | length 3.8
  Top Layer w0.381: P12.4 U6.22
NetP12_5: P12.5 U6.23 | length 3.8
  Top Layer w0.381: P12.5 U6.23
NetP12_6: P12.6 U6.24 | length 3.8
  Top Layer w0.381: P12.6 U6.24
NetP12_7: P12.7 U6.25 | length 3.8
  Top Layer w0.381: P12.7 U6.25
NetP12_8: P12.8 U6.26 | length 3.8
  Top Layer w0.381: P12.8 U6.26
NetP13_3: P13.3 U11.3 | length 12
  Top Layer w0.381: P13.3@43.913,26.716 P13.3 43.691,23.514 44.447,22.758 49.022,22.758 49.657,22.123 U11.3
NetP13_4: P13.4 U11.2 | length 10.3
  Top Layer w0.381: P13.4 46.231,24.153 46.914,23.47 50.114,23.47 50.927,22.657 U11.2
NetP13_5: P13.5 U11.1 | length 9
  Top Layer w0.381: P13.5 48.771,24.61 49.225,24.155 50.963,24.155 52.275,22.844 52.275,20.51 U11.1
NetR1_1: R1.1 SW1.3 | length 31.2
  Top Layer w0.381: SW1.3@44.704,96.762 SW1.3 42.802,96.828 42.164,96.19 42.164,77.216 42.85,76.53 R1.1
NetR6_2: R6.2 U5.6 | length 7.8
  Top Layer w0.381: R6.2 15.037,77.521 15.418,77.902 15.418,81.686 15.926,82.194 U5.6
NetU3_14: U3.14 U4.9 | length 40.5
  Top Layer w0.381: U4.9 73.809,68.838 74.676,67.97 95.199,67.97 96.088,68.859 96.088,78.334 95.25,79.172 U3.14
NetU8_13: U8.13 xh1.1 | length 8.9
  Top Layer w0.381: xh1.1 69.088,26.303 69.528,26.743 71.701,26.743 72.136,27.178 U8.13
NetU8_14: U8.14 xh1.2 | length 7.9
  Top Layer w0.381: xh1.2 71.374,23.622 71.374,25.702 71.882,26.21 72.946,26.21 73.406,26.67 U8.14
NetU8_15: U8.15 xh1.3 | length 6.6
  Top Layer w0.381: xh1.3 74.168,25.702 74.676,26.21 U8.15
NetU8_16: U8.16 xh1.4 | length 6.7
  Top Layer w0.381: U8.16 75.946,26.264 76.454,25.756 76.454,23.622 xh1.4
OLED_SCL: OLED1.3 P4.12 | length 20.2
  Top Layer w0.381: P4.12 63.77,63.769 65.055,62.484 79.096,62.484 81.128,64.516 OLED1.3@81.128,65.024
OLED_SDA: OLED1.4 P4.13 | length 22.5
  Top Layer w0.381: P4.13 63.257,66.802 83.058,66.802 83.668,66.192 OLED1.4@83.668,65.024
SQW: ?.3@28.716,16.464 U13.3 | length 30.5
  Top Layer w0.381: U13.3 11.815,11.688 12.548,12.421 v1(12.548,20.447) ; v1@14.82,20.334 v1(28.716,20.334) ; ?.3@28.716,16.464 v1(28.716,17.487)
  Bottom Layer w0.381: v1(12.548,20.447) 14.529,20.447 v1(14.605,20.371) ; v1(28.716,17.487) v1(28.716,20.334)
SR04_ECHO: P1.1 U7.3 | length 33.5
  Top Layer w0.508: U7.3 7.688,26.98 9.841,29.134 30.175,29.134 32.258,31.217 P1.1
SR04_TRIG: P1.2 U7.2 | length 33.4
  Top Layer w0.508: U7.2 7.371,29.52 9.22,31.369 28.727,31.369 29.921,32.563 29.921,37.008 31.282,38.369 P1.2
ULN2003_IN1: P4.8 U8.1 | length 30.5
  Top Layer w0.381: P4.8 74.661,53.609 75.946,52.324 U8.1
ULN2003_IN2: P4.7 U8.2 | length 26.7
  Top Layer w0.381: P4.7 73.391,51.069 74.676,49.784 U8.2
ULN2003_IN3: P4.6 U8.3 | length 22.9
  Top Layer w0.381: P4.6 72.121,48.529 73.406,47.244 U8.3
ULN2003_IN4: P4.5 U8.4 | length 19.1
  Top Layer w0.381: P4.5 70.902,45.989 72.136,44.755 U8.4
ULN2003_IN5: P4.4 U8.5 | length 15.4
  Top Layer w0.381: P4.4 69.835,43.449 70.866,42.418 U8.5
V-: P1.19 P1.20 P2.19 P2.20 U6.1 | length 14
  Top Layer w0.381: P1.19 P1.20 P2.20 ; P2.19 P2.20 ; U6.1@38.611,81.549 38.611,84.089 P2.20
VCC: ?.5 ?.6 ?.7 ?.8 BUZZER1.1 C7.1 C8.1 C9.1 C10.1 C11.1 C14.2 C16.1 C17.1 MOS1.3 OLED1.2 P4.17 P4.18 P11.1 P11.2 P11.3 P11.4 R3.2 R4.2 R5.1 R6.1 R9.2 R10.2 R11.2 R12.2 R13.2 R14.1 R15.1 R16.1 R17.1 R18.1 R19.1 R20.1 R21.1 U2.3 U3.10 U3.16 U4.10 U4.16 U5.8 U7.1 U8.9 U9.2 U10.1 U11.16 U12.8 U13.2 | length 652
  Top Layer w0.381: P11.1 P11.2 P11.3 P11.4 3.327,71.984 3.429,71.882 ; 8.255,71.882 8.255,86.004 8.941,86.69 12.929,86.69 13.457,87.218 C11.1 17.323,89.012 ; U13.2 6.782,12.958 ; R6.1 16.205,75.692 16.916,76.403 24.486,76.403 24.79,76.708 R5.1 ; U5.8 17.323,84.771 17.323,89.012 ; v1(20.599,75.006) 20.599,74.803 20.99,74.412 R3.2 24.831,74.412 C14.2 27.356,74.422 R4.2 28.397,74.397 28.829,73.965 28.829,69.774 28.372,69.317 8.814,69.317 8.255,69.875 8.255,71.831 8.204,71.882 3.429,71.882 ; ?.5@21.136,16.464 21.986,16.464 22.836,16.464 23.686,16.464 23.686,17.167 24.007,17.487 v1(25.883,17.487) ; U12.8 23.894,4.504 24.359,4.039 28.778,4.039 29.291,4.552 C17.1 ; v1(25.984,14.58) 25.984,14.935 26.213,15.164 27.016,15.164 27.866,15.164 28.716,15.164 29.566,15.164 29.566,13.393 29.495,13.119 R13.2@29.495,10.494 ; R13.2 R12.2 C17.1 ; v1(31.737,5.245) C17.1 ; v1(35.636,5.283) 35.636,0.889 35.611,0.864 ; U11.16 57.847,14.62 58.547,13.919 58.547,3.785 57.907,3.145 R21.1 ; 59.385,87.554 59.385,97.587 58.471,98.501 41.732,98.501 40.919,97.688 40.919,88.087 39.421,86.589 21.234,86.589 20.693,87.13 U2.3 20.687,89.012 17.323,89.012 ; P4.17 P4.18 ; U8.9 67.056,21.412 67.996,20.472 80.594,20.472 82.499,18.567 82.499,16.764 ; U10.1 69.008,14.024 69.774,13.259 81.509,13.259 82.499,14.249 82.499,16.764 ; U4.10 75.387,74.092 75.768,73.711 75.768,69.291 76.327,68.732 v1(78.511,68.732) 94.082,68.732 94.945,69.596 94.945,73.294 94.147,74.092 ; U4.16 76.479,81.712 77.038,81.153 77.038,77.114 77.876,76.276 77.876,72.212 v1(78.486,71.603) ; v1(80.328,62.535) 88.824,62.535 91.694,59.665 91.694,40.792 96.825,35.662 96.825,6.325 95.987,5.486 90.576,5.486 89.916,4.826 89.916,1.626 89.281,0.991 57.328,0.991 56.644,1.675 R21.1 ; R9.2 87.339,22.86 R11.2 R10.2 96.799,22.86 ; U3.10 94.147,74.092 ; U3.16 v1(94.971,81.712) ; v1(95.047,77.851) 95.047,74.991 94.147,74.092 ; 96.774,12.929 88.544,12.929 87.916,13.557 BUZZER1.1 87.916,16.224 87.376,16.764 82.499,16.764 ; 3.429,71.882 2.083,71.882 1.219,71.018 1.219,54.432 2.043,53.609 U9.2 U7.1 3.079,32.06 1.854,30.836 1.854,14.859 3.755,12.958 6.782,12.958 ; 6.782,12.958 6.782,2.946 8.865,0.864 35.611,0.864 ; 35.611,0.864 38.329,0.864 38.981,1.516 38.981,2.609 38.71,2.88 R14.1 R15.1 R16.1 R17.1 R18.1 R19.1 R20.1 56.637,3.151 R21.1
  Top Layer w0.508: C8.1 C9.1 C10.1 C7.1 ; MOS1.3 C7.1 ; P4.17 64.124,76.469 64.719,77.064 64.719,86.843 64.008,87.554 59.385,87.554 54.889,87.554 54.104,86.768 54.104,84.05 53.506,83.453 C7.1
  Bottom Layer w0.381: R6.1 20.574,74.981 v1(20.599,75.006) ; v1(25.883,17.487) 25.883,14.681 v1(25.984,14.58) ; v1(31.737,5.245) 31.775,5.283 v1(35.636,5.283) ; v1(78.486,71.603) 78.486,68.758 v1(78.511,68.732) 78.511,65.126 OLED1.2 78.588,63.297 79.35,62.535 80.112,62.535 80.277,62.37 80.442,62.535 v1(80.328,62.535) ; v1(94.971,81.712) 94.945,81.686 95.047,81.585 v1(95.047,77.851)
VIN: P3.19 P3.20 P4.19 P4.20 U6.44
pads on no net: ?.1@23.686,15.164 P1.3 P1.4 P1.7 P1.8 P4.2 P4.3 SW1.4 SW1.5 SW1.6 U3.9 U4.4 U4.5 U4.6 U4.7 U5.1 U5.2 U5.3 U8.6 U8.7 U8.10 U8.11 U10.3 U11.6 U13.4 xh1.5
copper on no net: | length 1.3
  Top Layer w0.508: 31.659,42.85 32.258,43.449 ; 32.258,40.462 32.258,40.909

## Polygon pours and split planes (outlines as drawn)
VIN on Top Layer "Top Layer-VIN" (solid, remove dead copper, shelved, pour order 46): 55.372,86.538
VIN on Top Layer "Top Layer-VIN 1" (solid, remove dead copper, pour order 44): 54.864,85.344 63.5,85.344 63.5,80.772 63.424,80.848 54.864,80.848
5V on Top Layer "Top Layer-5V" (solid, remove dead copper, pour order 42): 52.358,79.756 61.468,79.756 61.468,75.692 52.324,75.692 52.324,79.722
GND on Top Layer "Top Layer-GND" (solid, remove dead copper, shelved, pour order 38): 0.203,99.949
no net on Top Layer "Top Layer-No Net 1" (solid, remove dead copper, shelved, pour order 18): 51.892,78.918
no net on Top Layer "Top Layer-No Net 2" (solid, remove dead copper, shelved, pour order 12): 52.146,78.918
no net on Top Layer "Top Layer-No Net" (solid, remove dead copper, shelved, pour order 6): 53.721,79.68
GND on Bottom Layer "Bottom Layer-No Net" (solid, remove dead copper, pour order 10): 0,100 100,100 100,0 0,0 0,99.746

## Keep-outs
Keep-Out Layer:
  circle w0.2: c97,97 r1.5
  circle w0.2: c3,97 r1.5
  circle w0.2: c3,3 r1.5
  circle w0.2: c97,3 r1.5
  lines w0.2: 0,0 0,100 100,100 100,0 0,0

## Silkscreen, mask and mechanical layers (free items; w line width, h text height)
Top Overlay:
  text "ON" at 51.791,98.501 h1.52
  text "OFF" at 46.457,98.476 h1.52

## Text inside footprints (layer, text, board x,y; h text height)
BUZZER1: Top Overlay "BUZZER" at 86.416,16.74 h2
OLED1: Top Overlay "0.96''OLED" at 75.358,53.549 h2